# Altium PCB pay-ssm-v4-5.PcbDoc (part 1 of 4) (continued)
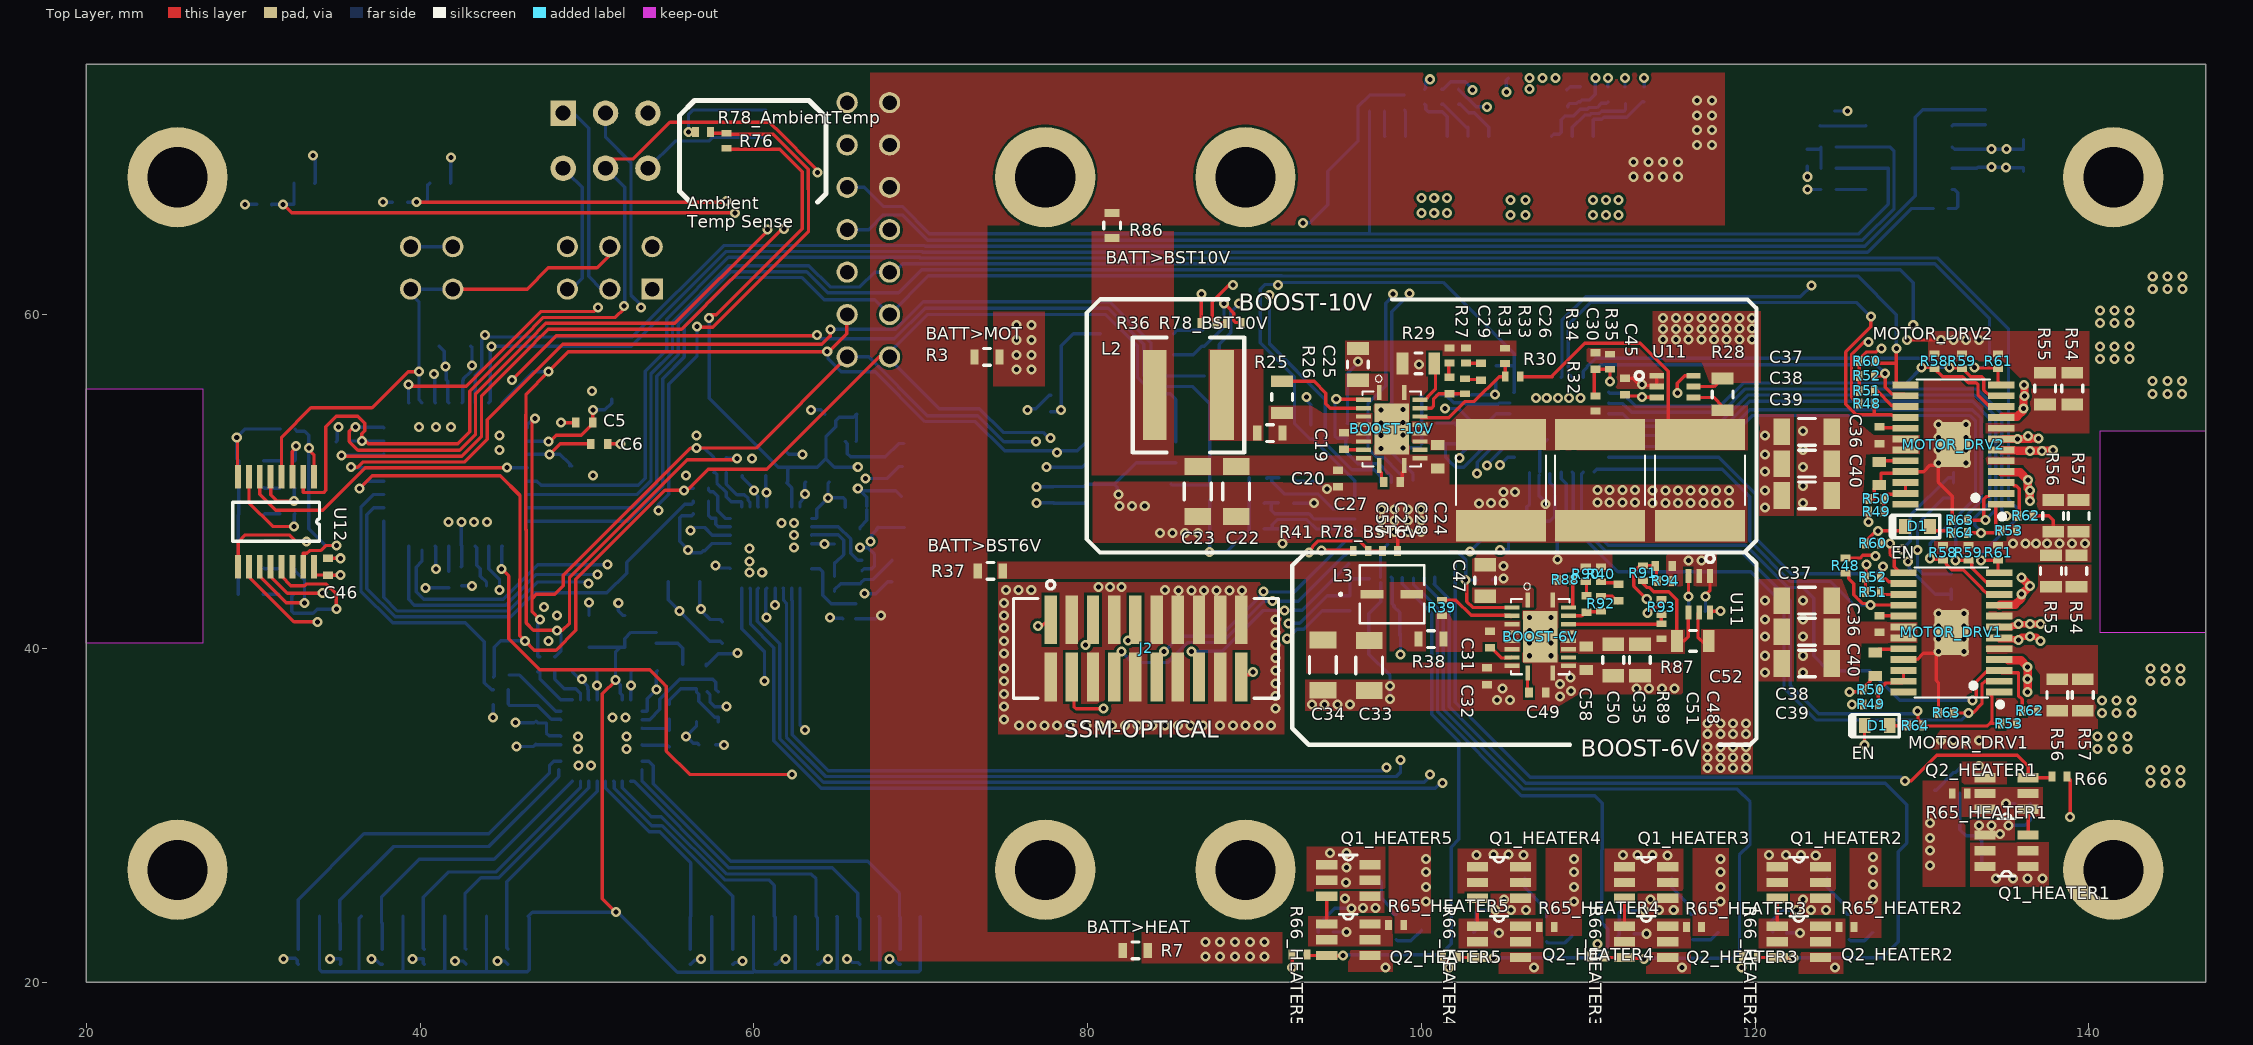
[diagram p0: Top Layer view]
## Design rules (kind name [scope] priority, off if disabled: settings)
AssemblyTestPointUsage [All] p1 off:
AssemblyTestpoint [All] p1 off: testpointundercomponent=TRUE minsize=1.016 maxsize=2.54 preferedsize=1.524 minholesize=0 maxholesize=1.016 preferedholesize=0.813 testpointgrid=0.025 usegrid=TRUE gridtolerance=0 allowsidetop=TRUE allowsidebottom=TRUE
BoardOutlineClearance [All] p1: gap=0.5 ignorepadtopadclearanceinfootprint=FALSE
Clearance Component_Clearance [IsComponent vs IsComponent] p1: gap=0.254 ignorepadtopadclearanceinfootprint=FALSE
Clearance [All] p2: gap=0.152 ignorepadtopadclearanceinfootprint=TRUE
FabricationTestPointUsage [All] p1 off: valid=0 allowmultiple=FALSE
FabricationTestpoint [All] p1 off: side=3 testpointundercomponent=FALSE minsize=1.016 maxsize=2.54 preferedsize=1.524 minholesize=0 maxholesize=1.016 preferedholesize=0.813 testpointgrid=0.025 allowsidetop=TRUE allowsidebottom=TRUE usegrid=TRUE gridtolerance=0
HoleSize [All] p1: absolutevalues=TRUE maxlimit=6.3 minlimit=0.3 maxpercent=80.000 minpercent=20.000
HoleToHoleClearance [All] p1: gap=0.2 allowstackedmicrovias=FALSE
MinimumAnnularRing [All] p1: minimumring=0.15
MinimumSolderMaskSliver [All] p1: minsoldermaskwidth=0.1
PlaneClearance [All] p1: clearance=0.381
PlaneConnect [All] p1: planeconnectstyle=Direct reliefexpansion=0.508 reliefentries=4 reliefconductorwidth=0.254 reliefairgap=0.254
PolygonConnect PolygonConnect_2 [All vs IsNamedPolygon('BIG-GND-TOP')] p1: thpad.connectstyle=Relief thpad.reliefconductorwidth=0.254 thpad.reliefentries=4 thpad.polygonreliefangle="90 Angle" thpad.airgapwidth=0.254 smdpad.connectstyle=Relief smdpad.reliefconductorwidth=0.254 smdpad.reliefentries=4 smdpad.polygonreliefangle="90 Angle" smdpad.airgapwidth=0.254 via.connectstyle=Direct via.reliefconductorwidth=0.254 via.reliefentries=4 via.polygonreliefangle="90 Angle" via.airgapwidth=0.254
PolygonConnect PolygonConnect_1 [All vs IsNamedPolygon('BIG-GND-BOT')] p2: thpad.connectstyle=Relief thpad.reliefconductorwidth=0.254 thpad.reliefentries=4 thpad.polygonreliefangle="90 Angle" thpad.airgapwidth=0.254 smdpad.connectstyle=Relief smdpad.reliefconductorwidth=0.254 smdpad.reliefentries=4 smdpad.polygonreliefangle="90 Angle" smdpad.airgapwidth=0.254 via.connectstyle=Direct via.reliefconductorwidth=0.254 via.reliefentries=4 via.polygonreliefangle="90 Angle" via.airgapwidth=0.254
PolygonConnect [All] p3: connectstyle=Direct reliefconductorwidth=0.254 reliefentries=4 polygonreliefangle="90 Angle" airgapwidth=0.254
RoutingVias [All] p1: holewidth=0.3 width=0.6 viastyle="Through Hole" minholewidth=0.2 minwidth=0.6 maxholewidth=6.3 maxwidth=10 useviatemplates=TRUE viatemplateguid#1={011D216B-D316-413C-A39D-AE21322AA2E3} viatemplatename#1=v60h30m0mx0(Tol8-8)
SilkToSilkClearance [All] p1: silktosilkclearance=0
SilkToSolderMaskClearance [IsPad] p1: minsilkscreentomaskgap=0.2 clearancetoexposedcopper=TRUE
SolderMaskExpansion [All] p1: expansion=0.051
UnConnectedPin [All] p1:
UnRoutedNet [All] p1: checkbadconnections=TRUE
Width [All] p1: maxlimit=25.4 minlimit=0.152 preferedwidth=0.2
18 further rules are at their usual default settings.

## Classes and differential pairs
component class Current_Monitor1: C46_Current_Monitor1 U8_Current_Monitor1
component class HEATER5: D8_HEATER5 Q1_HEATER5 Q2_HEATER5 R44_HEATER5 R65_HEATER5 R66_HEATER5 R96_HEATER5
component class HEATER4: D8_HEATER4 Q1_HEATER4 Q2_HEATER4 R44_HEATER4 R65_HEATER4 R66_HEATER4 R96_HEATER4
component class HEATER1: D8_HEATER1 Q1_HEATER1 Q2_HEATER1 R44_HEATER1 R65_HEATER1 R96_HEATER1
component class HEATER3: D8_HEATER3 Q1_HEATER3 Q2_HEATER3 R44_HEATER3 R65_HEATER3 R66_HEATER3 R96_HEATER3
component class HEATER2: D8_HEATER2 Q1_HEATER2 Q2_HEATER2 R44_HEATER2 R65_HEATER2 R66_HEATER2 R96_HEATER2
component class MOTOR_DRV1: C37 C38 C39 C40 D1 MOTOR_DRV1 R48 R50 R51 R52 R53 R54 R55 R56 R57 R58 R59 R60 R61 R62 R63
component class Current_Monitor2: C45 U11
component class Boost2_Temperature: R78_BST6V
component class MOTOR_DRV2: MOTOR_DRV2
component class Port_Expander2: C41_Port_Expander2
component class Port_Expander1: C41 C41_Port_Expander1 R67 R68 R69 R70 R71 R72 R73 R74
component class micro-circuit-: C46 D2 D3 D4 D5 D6 D7 R79 R80 R81 R82 R83 R84 R85 U11
component class ADC1: C10 C11 C12_ADC1 C13 C14 R19 R20 R21 R22 R23 U3
channel class "Port Expander Breakout": PEX1 PEX2
channel class "Heater Control": HEATER1 HEATER2 HEATER3 HEATER4 HEATER5
channel class DRV8834: MOTOR_DRV1 MOTOR_DRV2
channel class curr-mon-INA214-Q1: Current_Monitor_Buck
channel class "ADC Breakout": ADC2 ADC13
channel class adc-circuit-ADS7952: ADC11 ADC12
channel class adc-ADS7952: ADS79521 ADS79522
net class MF2_THM[1..6]: MF2_THM1 MF2_THM2 MF2_THM3 MF2_THM4 MF2_THM5 MF2_THM6
net class MF1_THM[1..6]: MF1_THM1 MF1_THM2 MF1_THM3 MF1_THM4 MF1_THM5 MF1_THM6
component class TOP: C53 C54 C55 J1 J2 J14 L4 R1 R2 R3 R4 R5 R6 R7 R8 R9 R10 R95 R99 R100
component class THERMISTORS: J12 J13
component class MOTORS: J5 J6 R42 R43
component class MOTOR_TEMP12: R78_MOT_DRV1
component class MOTOR_TEMP11: R78_MOT_DRV2
component class MF_THM2_17: R78_MF_THM2_17
component class MF_THM2_16: R78_MF_THM2_16
component class MF_THM2_15: R78_MF_THM2_15
component class MF_THM2_14: R78_MF_THM2_14
component class MF_THM2_13: R78_MF_THM2_13
component class MF_THM2_12: R78_MF_THM2_12
component class MF_THM1_11: R78_MF_THM1_11
component class MF_THM1_10: R78_MF_THM1_10
component class MF_THM1_9: R78_MF_THM1_9
component class MF_THM1_8: R78_MF_THM1_8
component class MF_THM1_7: R78_MF_THM1_7
component class MF_THM1_6: R78_MF_THM1_6
component class BOOST-6V: BOOST-6V C31 C32 C33 C34 C35 C47 C48 C49 C50 C51 C52 L3 R37 R38 R39 R40 R41 R87 R88 R89 R90 R91 R92 R93 R94 R98
component class General_Temp_Sense: R78_AmbientTemp
component class ADS79522: U5
component class ADS79521: C15 C16 C17 C18 R24
component class CAN_Transciever: C7 C8 C9 R12 R13 R14 R15 R16 R17 R18 U2
channel class thermistor-input-10k: ADC1_Temp_Sense ADC2_Temp_Sense Boost_Temp_Sense CIN6 CIN7 CIN8 CIN9 CIN10 CIN11 CIN12 CIN13 CIN14 CIN15 CIN16 CIN17 Motor_Driver_Temp_Sense1 Motor_Driver_Temp_Sense2
channel class pex-MCP23S17: Port_Expander_Motor Port_Expander_Thermal
component class MOTOR_FB: J9 J10 R46 R47
component class MCU_64M1: J3 J4 "PROG <-> RUN" RST
component class ENV_SENSORS: C42 C43 C44 R75 R76 R77 U9 U10 U15
component class Boost_Temp_Sense: R47_Boost_Temp_Sense R78_BST10V
component class BOOST-10V: BOOST-10V C19 C20 C21 C22 C23 C24 C25 C26 C27 C28 C29 C30 L2 R25 R26 R27 R28 R29 R30 R31 R32 R33 R34 R35 R36 R86 R97
component class ATMEGA64M1: C1 C2 C3 C4 C5 C6 L1 R11 Y1

## Components (designator, comment, footprint, x,y, rotation, side; value= is the part's Value field where it differs from the comment)
BOOST-6V "TPS61088" QFN50P450X350X100-21N 107.122,40.701 r0 top (schematic designator BT2)
BOOST-10V "TPS61088" QFN50P450X350X100-21N 98.232,53.147 r0 top (schematic designator BT1)
C1 "0805" CAP0805R 42.098,58.1 r180 bottom value=10uF
C2 "0402" CAP0402R 42.098,56.068 r180 bottom value=0.1uF
C3 "0402" CAP0402R 42.979,44.892 r0 bottom value=0.1uF
C4 "0402" CAP0402R 41.717,44.13 r90 bottom value=0.1uF
C5 "0402" CAP0402R 49.837,53.528 r0 top value=22pF
C6 "0402" CAP0402R 50.734,52.258 r180 top value=22pF
C7 "0805" CAP0805R 136.078,69.53 r270 bottom value=10uF
C8 "0402" CAP0402R 133.411,69.403 r270 bottom value=0.1uF
C9 "0402" CAP0402R 123.124,69.403 r90 bottom value=47pF
C10 "0402" CAP0402R 57.211,34.224 r180 bottom value=0.1uF
C10 "0402" CAP0402R 66.863,47.178 r180 bottom value=0.1uF
C11 "0402" CAP0402R 54.925,34.597 r90 bottom value=220pF
C11 "0402" CAP0402R 64.831,45.646 r270 bottom value=220pF
C12 "0805" CAP0805R 55.814,44.003 r0 bottom value=10uF
C12_ADC1 "0805" CAP0805R 69.022,48.194 r90 bottom value=10uF (schematic designator C12)
C13 "0603" CAP0603R 56.449,39.05 r180 bottom value=1uF
C13 "0603" CAP0603R 68.895,51.688 r90 bottom value=1uF
C14 "0805" CAP0805R 50.125,41.025 r270 bottom value="10uF 1-1.5 ESR"
C14 "0805" CAP0805R 65.212,54.036 r0 bottom value="10uF 1-1.5 ESR"
C15 "0603" CAP0603R 53.528,38.669 r180 bottom value=1uF
C15 "0603" CAP0603R 60.005,50.353 r0 bottom value=1uF
C16 "0603" CAP0603R 46.925,34.95 r90 bottom value=1uF
C16 "0603" CAP0603R 56.957,46.543 r270 bottom value=1uF
C17 "0603" CAP0603R 49.845,38.669 r0 bottom value=1uF
C17 "0603" CAP0603R 63.815,49.972 r180 bottom value=1uF
C18 "0805" CAP0805R 52.258,41.016 r270 bottom value=10uF
C18 "0805" CAP0805R 61.91,50.861 r270 bottom value=10uF
C19 "0402" CAP0402R 95.375,52.425 r270 top value="0.1uF 50V X7R"
C20 "0402" CAP0402R 95,50.175 r90 top value="0.1uF 16V X7R"
C21 "2220" CAP2220 104.775,50.075 r90 top value="22uF 25V X7R"
C22 "1206" CAP1206R 88.9,49.4 r90 top value="10uF 50V X5R"
C23 "1206" CAP1206R 86.6,49.4 r90 top value="10uF 50V X5R"
C24 "2220" CAP2220 116.7,50.075 r90 top value="22uF 25V X7R"
C25 "0805" CAP0805R 96.2,57.023 r270 top value="2.2uF 16V X7R"
C26 "0402" CAP0402R 103.575,56.575 r270 top value="820pF 50V X7R"
C27 "0402" CAP0402R 98.232,49.972 r180 top value="8.2nF 16V X7R"
C28 "2220" CAP2220 110.7,50.075 r90 top value="22uF 25V X7R"
C29 "0402" CAP0402R 101.7,55.75 r270 top value="39pF 25V C0G"
C30 "0402" CAP0402R 110.424,57.211 r270 top value="0.1uF 16V X7R"
C31 "0402" CAP0402R 104.1,40.525 r90 top value="0.1uF 16V X7R"
C32 "0402" CAP0402R 103.925,38.325 r90 top value="0.1uF 16V X7R"
C33 "1206" CAP1206R 96.875,38.975 r90 top value="33uF 25V X5R"
C34 "1206" CAP1206R 94.1,39 r90 top value="33uF 25V X5R"
C35 "0805" CAP0805R 113.1,39.3 r90 top value="15uF 35V X5R"
C36 "0402" CAP0402R 127.442,52.766 r270 top value="10000pF 25V"
C36 "0402" CAP0402R 127.442,41.463 r270 top value="10000pF 25V"
C37 "1206" CAP1206R 123.1,52.976 r0 top value="10uF 25V"
C37 "1206" CAP1206R 123.1,42.86 r0 top value="10uF 25V"
C38 "1206" CAP1206R 123.1,51.071 r0 top value="10uF 25V"
C38 "1206" CAP1206R 123.1,40.996 r0 top value="10uF 25V"
C39 "1206" CAP1206R 123.1,49.166 r0 top value="10uF 25V"
C39 "1206" CAP1206R 123.1,39.091 r0 top value="10uF 25V"
C40 "0603" CAP0603R 127.442,50.48 r270 top value="2.2uF 6.3V X7R"
C40 "0603" CAP0603R 127.188,39.05 r270 top value="2.2uF 6.3V X7R"
C41 "0402" CAP0402R 97.85,42.575 r0 bottom value=0.1uF (schematic designator C45)
C41 "0402" CAP0402R 107.5,49.275 r0 bottom value=0.1uF (schematic designator C45)
C41_Port_Expander1 "0805" CAP0805R 107.122,46.543 r180 bottom value=10uF (schematic designator C41)
C41_Port_Expander2 "0805" CAP0805R 97.8,40.9 r0 bottom value=10uF (schematic designator C41)
C42 "0402" CAP0402R 77.975,49.2 r90 bottom value="0.1uF 16V X7R"
C43 "0402" CAP0402R 77.785,54.671 r270 bottom value="0.22uF 6.3V X7R"
C44 "0402" CAP0402R 86.929,58.608 r270 bottom value="0.1uF 16V X7R"
C45 "0402" CAP0402R 116.52,42.225 r180 bottom value=0.1uF (schematic designator C46)
C45 "0402" CAP0402R 112.202,55.687 r270 top value=0.1uF (schematic designator C46)
C46 "0402" CAP0402R 34.478,44.892 r270 top value=0.1uF (schematic designator C56)
C47 "0805" CAP0805R 103.82,44.064 r270 top value="2.2uF 16V X7R"
C48 "0402" CAP0402R 111.8,43.35 r270 top value="560pF 50V X7R"
C49 "0402" CAP0402R 106.95,37.35 r180 top value="8.2nF 16V X7R"
C50 "0805" CAP0805R 111.5,39.3 r90 top value="15uF 35V X5R"
C51 "0402" CAP0402R 109.9,42.65 r270 top value="27pF 50V C0G"
C52 "0402" CAP0402R 114.525,44.925 r180 top value="0.1uF 16V X7R"
C53 "0402" CAP0402R 108.265,72.451 r180 bottom value=10000pF
C54 "0603" CAP0603R 108.011,73.467 r180 bottom value=1uF
C55 "0805" CAP0805R 105.217,73.125 r270 bottom value=10uF
C57 "0603" CAP0603R 100.975,51.475 r90 top value=1uF
C58 "0603" CAP0603R 109.875,39.4 r90 top value=1uF
D1 "LED0603" LED0603 129.728,47.305 r180 top
D1 "LED0603" LED0603 127.315,35.367 r180 top
D2 "LED0603" LED0603 29.849,51.242 r180 bottom
D3 "LED0603" LED0603 29.849,49.631 r180 bottom
D4 "LED0603" LED0603 29.849,48.021 r180 bottom
D5 "LED0603" LED0603 29.849,46.365 r180 bottom
D6 "LED0603" LED0603 29.849,44.801 r180 bottom
D7 "LED0603" LED0603 29.849,43.237 r180 bottom
D8_HEATER1 "LED0603" LED0603 132.268,32.065 r270 bottom (schematic designator D8)
D8_HEATER2 "LED0603" LED0603 125.645,23.302 r90 bottom (schematic designator D8)
D8_HEATER3 "LED0603" LED0603 116.266,23.302 r90 bottom (schematic designator D8)
D8_HEATER4 "LED0603" LED0603 107.503,23.175 r90 bottom (schematic designator D8)
D8_HEATER5 "LED0603" LED0603 98.486,23.302 r90 bottom (schematic designator D8)
J1 "DF13A-15P-1.25H(21)" DF13A-15P-1.25H(21) 106.547,70.673 r0 bottom
J2 "SFMC-110-02-L-D" TFM-110-02-L-D 83.5,40 r0 top
J3 "SLW-103-01-G-D" SLW-103-01-X-D 51.369,62.799 r0 bottom
J4 "SLW-102-01-G-D" SLW-102-01-X-D 40.701,62.799 r0 bottom
J5 "DF13A-4P-1.25H(51)" DF13A-4P-1.25H(51) 143.139,36.647 r270 bottom
J6 "DF13A-4P-1.25H(51)" DF13A-4P-1.25H(51) 143.19,60.132 r270 bottom
J9 "DF13A-2P-1.25H(21)" DF13A-2P-1.25H(21) 33.071,67.879 r180 bottom
J10 "DF13A-2P-1.25H(21)" DF13A-2P-1.25H(21) 41.199,67.879 r180 bottom
J11 "DF13A-2P-1.25H(21)" DF13A-2P-1.25H(21) 124.956,26.225 r180 bottom
J11 "DF13A-2P-1.25H(21)" DF13A-2P-1.25H(21) 97.988,26.223 r180 bottom
J11 "DF13A-2P-1.25H(21)" DF13A-2P-1.25H(21) 106.814,26.225 r180 bottom
J11 "DF13A-2P-1.25H(21)" DF13A-2P-1.25H(21) 115.631,26.223 r180 bottom
J11 "DF13A-2P-1.25H(21)" DF13A-2P-1.25H(21) 132.957,26.983 r0 bottom
J12 "DF13A-12P-1.25H(51)" DF13A-12P-1.25H(51) 62.478,23.937 r180 bottom
J13 "DF13A-12P-1.25H(51)" DF13A-12P-1.25H(51) 38.979,23.939 r180 bottom
J14 "SLW-107-01-G-D" SLW-107-01-X-D 66.863,65.085 r90 bottom
L1 "0603" RES0603R 43.233,43.749 r0 bottom value=10uH
L2 "XAL6020-112MEB" XAL6020-112MEB 86.04,55.179 r0 top value="1.1uH 20% 12A"
L3 "IHLP-1212BZ" IHLP-1212BZ 98.232,43.241 r0 top
L4 "2A 0402" RES0402R 106.741,72.451 r0 bottom value="120 Ohm @ 100MHz"
MCU "ATMEGA64M1" QFP80P900X900X120-32 42.116,50.423 r270 bottom (schematic designator U1)
MOTOR_DRV1 "DRV8834" SOP65P640X120-25N 131.76,40.955 r180 top (schematic designator U7)
MOTOR_DRV2 "DRV8834" SOP65P640X120-25N 131.876,52.214 r180 top (schematic designator U7)
"PROG <-> RUN" "DPDT" "JS202011AQN - Slide Switch" 51.115,70.419 r270 bottom (schematic designator S1)
Q1_HEATER1 "N-MOS" SOT95P280X145-6N 135.062,27.874 r180 top (schematic designator Q1)
Q1_HEATER2 "N-MOS" SOT95P280X145-6N 122.616,25.969 r0 top (schematic designator Q1)
Q1_HEATER3 "N-MOS" SOT95P280X145-6N 113.472,25.969 r0 top (schematic designator Q1)
Q1_HEATER4 "N-MOS" SOT95P280X145-6N 104.651,25.969 r0 top (schematic designator Q1)
Q1_HEATER5 "N-MOS" SOT95P280X145-6N 95.623,26.096 r0 top (schematic designator Q1)
Q2_HEATER1 "N-MOS" SOT95P280X145-6N 135.062,31.303 r180 top (schematic designator Q2)
Q2_HEATER2 "N-MOS" SOT95P280X145-6N 122.616,22.413 r0 top (schematic designator Q2)
Q2_HEATER3 "N-MOS" SOT95P280X145-6N 113.472,22.413 r0 top (schematic designator Q2)
Q2_HEATER4 "N-MOS" SOT95P280X145-6N 104.651,22.413 r0 top (schematic designator Q2)
Q2_HEATER5 "N-MOS" SOT95P280X145-6N 95.623,22.54 r0 top (schematic designator Q2)
R1 "0402" RES0402R 97.343,72.197 r180 bottom value=0
R2 "0402" RES0402R 98.994,72.705 r90 bottom value=0
R3 "0603" RES0603R 73.975,57.465 r0 top value="0 26A"
R4 "0402" RES0402R 100.193,73.057 r90 bottom value=100
R5 "0402" RES0402R 101.209,73.057 r90 bottom value=100
R6 "0402" RES0402R 102.225,73.057 r90 bottom value=100
R7 "0603" RES0603R 82.865,21.905 r0 top value="0 26A"
R8 "0402" RES0402R 111.186,73.213 r90 bottom value=100
R9 "0402" RES0402R 112.202,73.213 r90 bottom value=100
R10 "0402" RES0402R 113.345,73.213 r90 bottom value=100
R11 "0402" RES0402R 35.425,52.385 r180 bottom value=30K
R12 "0402" RES0402R 124.394,68.768 r0 bottom value=60.4
R13 "0402" RES0402R 131.125,66.355 r180 bottom value=100
R14 "0402" RES0402R 133.792,71.816 r90 bottom value=100
R15 "0402" RES0402R 124.394,67.498 r180 bottom value=100
R16 "0402" RES0402R 124.394,70.038 r0 bottom value=60.4
R17 "0402" RES0402R 123.886,71.758 r90 bottom value=0
R18 "0402" RES0402R 124.775,71.747 r270 bottom value=0
R19 "0402" RES0402R 44.839,37.512 r0 bottom value=100
R19 "0402" RES0402R 56.83,48.829 r0 bottom value=100
R20 "0402" RES0402R 48.067,39.05 r270 bottom value=100
R20 "0402" RES0402R 58.354,50.988 r270 bottom value=100
R21 "0402" RES0402R 54.925,36.198 r270 bottom value=100
R21 "0402" RES0402R 64.831,43.876 r90 bottom value=100
R22 "0402" RES0402R 47.178,39.05 r270 bottom value=100
R22 "0402" RES0402R 57.592,50.988 r270 bottom value=100
R23 "0402" RES0402R 44.839,38.401 r0 bottom value=100
R23 "0402" RES0402R 56.83,49.591 r0 bottom value=100
R24 "0402" RES0402R 44.839,36.623 r180 bottom value=10K
R24 "0402" RES0402R 56.83,48.067 r180 bottom value=10K
R25 "0603" RES0603R 90.925,52.9 r0 top value="0 26A"
R26 "0805" RES0805R 91.65,55.05 r270 top value="215K 1%"
R27 "0402" RES0402R 101.7,57.55 r270 top value=0
R28 "0805" RES0805R 118.05,55.225 r90 top value="8m 1% 1/2W"
R29 "0805" RES0805R 99.825,57.075 r0 top value="102K 1%"
R30 "0402" RES0402R 105.475,56.3 r0 top value="410K 1%"
R31 "0402" RES0402R 102.675,57.55 r270 top value=0
R32 "0402" RES0402R 110.424,54.671 r270 top value="3K 1%"
R33 "0402" RES0402R 102.625,55.7 r270 top value="44.2K 1%"
R34 "0402" RES0402R 105.025,57.525 r270 top value="56.2K 1%"
R35 "0402" RES0402R 111.3,57.175 r270 top value=1K
R36 "0402" RES0402R 87.241,59.497 r180 top value="10K NTC"
R37 "0603" RES0603R 74.175,44.65 r180 top value="0 26A"
R38 "0603" RES0603R 100.575,40.55 r0 top value="0 26A"
R39 "0402" RES0402R 101.225,42.425 r270 top value="69.8K 1%"
R40 "0402" RES0402R 110.75,44.45 r270 top value=0
R41 "0402" RES0402R 96.375,45.825 r180 top value="10K NTC"
R42 "0402" RES0402R 131.76,44.003 r90 bottom value="10K NTC"
R43 "0402" RES0402R 131.887,49.464 r270 bottom value="10K NTC"
R44_HEATER1 "0402" RES0402R 136.025,30.7 r180 bottom value=10K (schematic designator R44)
R44_HEATER2 "0402" RES0402R 121.5,22.95 r0 bottom value=10K (schematic designator R44)
R44_HEATER3 "0402" RES0402R 112.275,22.925 r0 bottom value=10K (schematic designator R44)
R44_HEATER4 "0402" RES0402R 103.65,23 r0 bottom value=10K (schematic designator R44)
R44_HEATER5 "0402" RES0402R 94.275,22.975 r0 bottom value=10K (schematic designator R44)
R46 "0402" RES0402R 30.668,66.609 r180 bottom value=10K
R47 "0402" RES0402R 38.796,66.736 r180 bottom value=10K
R48 "0402" RES0402R 126.68,54.671 r180 top value=10K
R48 "0402" RES0402R 125.41,44.961 r90 top value=10K
R49 "0402" RES0402R 127.261,48.194 r180 top value="1K 1%"
R49 "0402" RES0402R 126.934,36.637 r180 top value="1K 1%"
R50 "0402" RES0402R 127.261,48.956 r0 top value="200 1%"
R50 "0402" RES0402R 126.934,37.526 r0 top value="200 1%"
R51 "0402" RES0402R 126.68,55.433 r180 top value=10K
R51 "0402" RES0402R 127.061,43.368 r180 top value=10K
R52 "0402" RES0402R 126.68,56.322 r0 top value=10K
R52 "0402" RES0402R 127.061,44.257 r0 top value=10K
R53 "0402" RES0402R 135.189,47.051 r180 top value=10K
R53 "0402" RES0402R 135.189,35.494 r180 top value=10K
R54 "0805" RES0805R 138.999,55.56 r270 top value="0.2 1% 1/4W"
R54 "0805" RES0805R 139.253,44.638 r270 top value="0.2 1% 1/4W"
R55 "0805" RES0805R 137.374,55.56 r270 top value="0.2 1% 1/4W"
R55 "0805" RES0805R 137.729,44.638 r270 top value="0.2 1% 1/4W"
R56 "0805" RES0805R 137.856,47.94 r90 top value="0.2 1% 1/4W"
R56 "0805" RES0805R 138.11,37.206 r90 top value="0.2 1% 1/4W"
R57 "0805" RES0805R 139.38,47.94 r90 top value="0.2 1% 1/4W"
R57 "0805" RES0805R 139.634,37.206 r90 top value="0.2 1% 1/4W"
R58 "0402" RES0402R 130.744,57.211 r270 top value=10K
R58 "0402" RES0402R 131.252,45.723 r270 top value=10K
R59 "0402" RES0402R 132.395,57.211 r270 top value=10K
R59 "0402" RES0402R 132.776,45.723 r270 top value=10K
R60 "0402" RES0402R 126.68,57.211 r0 top value=10K
R60 "0402" RES0402R 127.061,46.289 r0 top value=10K
R61 "0402" RES0402R 134.554,57.211 r270 top value=10K
R61 "0402" RES0402R 134.554,45.723 r270 top value=10K
R62 "0402" RES0402R 136.205,47.94 r180 top value="50K 1%"
R62 "0402" RES0402R 136.459,36.256 r180 top value="50K 1%"
R63 "0402" RES0402R 132.268,47.686 r0 top value="50K 1%"
R63 "0402" RES0402R 131.437,36.129 r0 top value="50K 1%"
R64 "0402" RES0402R 132.268,46.924 r180 top value=330
R64 "0402" RES0402R 129.601,35.367 r180 top value=330
R65_HEATER1 "0402" RES0402R 132.268,31.303 r180 top value=1K (schematic designator R65)
R65_HEATER2 "0402" RES0402R 125.479,23.302 r0 top value=1K (schematic designator R65)
R65_HEATER3 "0402" RES0402R 116.335,23.302 r0 top value=1K (schematic designator R65)
R65_HEATER4 "0402" RES0402R 107.514,23.302 r0 top value=1K (schematic designator R65)
R65_HEATER5 "0402" RES0402R 98.486,23.429 r0 top value=1K (schematic designator R65)
R66 "0402" RES0402R 138.237,32.319 r0 top value=10K
R66_HEATER2 "0402" RES0402R 119.695,21.524 r180 top value=10K (schematic designator R66)
R66_HEATER3 "0402" RES0402R 110.551,21.524 r180 top value=10K (schematic designator R66)
R66_HEATER4 "0402" RES0402R 101.73,21.524 r180 top value=10K (schematic designator R66)
R66_HEATER5 "0402" RES0402R 92.702,21.651 r180 top value=10K (schematic designator R66)
R67 "0402" RES0402R 95.725,42.7 r270 bottom value=10K
R67 "0402" RES0402R 106.36,48.067 r270 bottom value=10K
R68 "0402" RES0402R 93.375,53 r90 bottom value=10K
R68 "0402" RES0402R 104.475,56.475 r270 bottom value=10K
R69 "0402" RES0402R 90.134,50.216 r180 bottom value=0
R69 "0402" RES0402R 102.548,55.179 r0 bottom value=0
R70 "0402" RES0402R 90.134,48.692 r180 bottom value=0
R70 "0402" RES0402R 102.525,53.575 r0 bottom value=0
R71 "0402" RES0402R 90.134,47.168 r180 bottom value=0
R71 "0402" RES0402R 102.49,52.258 r0 bottom value=0
R72 "0402" RES0402R 91.912,50.216 r180 bottom value=0
R72 "0402" RES0402R 100.458,55.179 r0 bottom value=0
R73 "0402" RES0402R 91.912,48.692 r180 bottom value=0
R73 "0402" RES0402R 100.475,53.55 r0 bottom value=0
R74 "0402" RES0402R 91.912,47.168 r180 bottom value=0
R74 "0402" RES0402R 100.458,52.258 r0 bottom value=0
R75 "0402" RES0402R 87.31,49.337 r270 bottom value=10K
R76 "0402" RES0402R 58.354,70.419 r270 top value="10K NTC"
R77 "0402" RES0402R 87.437,56.322 r0 bottom value=10K
R78_AmbientTemp "0402" RES0402R 56.957,70.927 r0 top value="10K 0.1%" (schematic designator R78)
R78_BST6V "0402" RES0402R 98.125,45.825 r180 top value="10K 0.1%" (schematic designator R78)
R78_BST10V "0402" RES0402R 88.765,59.497 r180 top value="10K 0.1%" (schematic designator R78)
R78_MF_THM1_6 "0402" RES0402R 68.768,21.524 r90 bottom value="10K 0.1%" (schematic designator R78)
R78_MF_THM1_7 "0402" RES0402R 66.355,21.524 r90 bottom value="10K 0.1%" (schematic designator R78)
R78_MF_THM1_8 "0402" RES0402R 63.815,21.524 r90 bottom value="10K 0.1%" (schematic designator R78)
R78_MF_THM1_9 "0402" RES0402R 61.275,21.524 r90 bottom value="10K 0.1%" (schematic designator R78)
R78_MF_THM1_10 "0402" RES0402R 58.735,21.524 r90 bottom value="10K 0.1%" (schematic designator R78)
R78_MF_THM1_11 "0402" RES0402R 56.195,21.524 r90 bottom value="10K 0.1%" (schematic designator R78)
R78_MF_THM2_12 "0402" RES0402R 45.273,21.524 r90 bottom value="10K 0.1%" (schematic designator R78)
R78_MF_THM2_13 "0402" RES0402R 42.758,21.524 r90 bottom value="10K 0.1%" (schematic designator R78)
R78_MF_THM2_14 "0402" RES0402R 40.244,21.524 r90 bottom value="10K 0.1%" (schematic designator R78)
R78_MF_THM2_15 "0402" RES0402R 37.729,21.524 r90 bottom value="10K 0.1%" (schematic designator R78)
R78_MF_THM2_16 "0402" RES0402R 35.215,21.524 r90 bottom value="10K 0.1%" (schematic designator R78)
R78_MF_THM2_17 "0402" RES0402R 32.7,21.524 r90 bottom value="10K 0.1%" (schematic designator R78)
R78_MOT_DRV1 "0402" RES0402R 131.76,42.479 r90 bottom value="10K 0.1%" (schematic designator R78)
R78_MOT_DRV2 "0402" RES0402R 131.887,50.988 r270 bottom value="10K 0.1%" (schematic designator R78)
R79 "0402" RES0402R 32.065,53.147 r0 bottom value=10K
R80 "0402" RES0402R 32.041,51.242 r0 bottom value=330
R81 "0402" RES0402R 32.041,49.591 r0 bottom value=330
R82 "0402" RES0402R 32.041,48.067 r0 bottom value=330
R83 "0402" RES0402R 31.996,46.416 r0 bottom value=330
R84 "0402" RES0402R 32.041,44.765 r0 bottom value=330
R85 "0402" RES0402R 31.996,43.241 r0 bottom value=330
R86 "0603" RES0603R 81.468,65.339 r90 top value="0 26A"
R87 "0805" RES0805R 116.266,40.447 r0 top value="8m 1% 1/2W"
R88 "0402" RES0402R 108.625,44.1 r0 top value="187K 1%"
R89 "0402" RES0402R 114.375,41.025 r270 top value="267K 1%"
R90 "0402" RES0402R 109.85,44.45 r270 top value=0
R91 "0402" RES0402R 113.275,44.5 r270 top value="1.4K 1%"
R92 "0402" RES0402R 110.75,42.675 r270 top value="15.4K 1%"
R93 "0402" RES0402R 114.375,42.475 r270 top value="56.2K 1%"
R94 "0402" RES0402R 114.6,44.05 r180 top value=1K
R95 "0402" RES0402R 109.535,73.213 r90 bottom value=2
R96_HEATER1 "0402" RES0402R 130.744,31.049 r270 bottom value=1K (schematic designator R96)
R96_HEATER2 "0402" RES0402R 127.061,23.429 r90 bottom value=1K (schematic designator R96)
R96_HEATER3 "0402" RES0402R 117.79,23.429 r90 bottom value=1K (schematic designator R96)
R96_HEATER4 "0402" RES0402R 109.027,23.244 r90 bottom value=1K (schematic designator R96)
R96_HEATER5 "0402" RES0402R 100.01,23.556 r90 bottom value=1K (schematic designator R96)
R97 "0402" RES0402R 95.55,53.025 r270 bottom value="50K 1%"
R98 "0402" RES0402R 103.8,44.1 r180 bottom value="50K 1%"
R99 "0402" RES0402R 66.101,42.225 r270 bottom value=1K
R100 "0402" RES0402R 65.339,42.225 r90 bottom value="2.2K 1%"
RST "SW-PB" "PTS830GM140 SMTR LFS - Pushbutton" 59.116,71.435 r0 bottom (schematic designator S2)
U2 "SN65HVD233D" SOIC127P500X600-8N 129.22,69.403 r270 bottom
U3 "AD8613" SOP65P200X125-5N 56.561,37.399 r270 bottom
U3 "AD8613" SOP65P200X125-5N 66.482,43.988 r0 bottom
U4 "REF5025" SOP65P300X125-8N 58.113,42.255 r180 bottom
U4_ADC1 "REF5025" SOP65P300X125-8N 67.425,48.45 r90 bottom (schematic designator U4)
U5 "ADS7952" QFN50P500X500X100-33 61.021,46.035 r180 bottom
U5 "ADS7952" QFN50P500X500X100-33 50.861,34.478 r180 bottom
U6 "MCP23S17-QFN" QFN65P600X600X100-29 108.392,53.401 r90 bottom
U6_Port_Expander2 "MCP23S17-QFN" QFN65P600X600X100-29 98.85,47.1 r90 bottom (schematic designator U6)
U9 "MS5803-05BA" MS5803_125P640x620-8N 82.611,50.48 r180 bottom
U10 "HIH7131" SOIC127P500X600-8N 82.551,56.957 r270 bottom
U11 "INA214CQDCKRQ1" "TI-SOT-SC70 (DCK)" 116.647,43.241 r270 top (schematic designator U8)
U11 "INA214CQDCKRQ1" "TI-SOT-SC70 (DCK)" 115.207,55.687 r0 top (schematic designator U8)
U12 "SN74HC365PW" SOP65P640X120-16N 33.649,50.292 r270 top (schematic designator U11)
Y1 "8MHz Crystal" OSCSC500X320X110-4N 50.283,52.925 r180 bottom

## Footprints (in the part's own frame and the unit in brackets; to place one, negate y for a bottom-side part, rotate by r counter-clockwise, add the part's x,y. Pads: shape width x height; smd on the part's side, far side on the other; paste and mask are expansions set on the pad)
CAP0402R [mm] "Capacitor 0402 reflow soldering"
  rect 0.45x0.6 smd mask+0: 1(-0.5,0) 2(0.5,0)
  body extent -0.5,-0.3 0.5,0.3, height 0.2
CAP0603R [mm] "capacitor 0603 reflow soldering"
  rect 0.6x0.8 smd mask+0: 1(-0.7,0) 2(0.7,0)
  body extent -0.8,-0.4 0.8,0.4, height 0.3
CAP0805R [mm] "capacitor 0805 reflow soldering"
  rect 0.8x1.3 smd mask+0: 1(-0.95,0) 2(0.95,0)
  silkscreen extent -0.2,-0.63 0.2,0.63, body extent -1,-0.63 1,0.62, height 0.78
CAP1206R [mm] "capacitor 1206 reflow soldering"
  rect 1x1.6 smd mask+0: 1(-1.5,0) 2(1.5,0)
  silkscreen extent -0.5,-0.8 0.5,0.8, body extent -1.6,-0.8 1.6,0.8, height 1
CAP2220 [mm] "CAP CER 2220"
  rect 1.88x5.41 smd: 1(-2.738,0) 2(2.738,0)
  silkscreen extent -1.48,-2.7 1.48,2.7, body extent -2.86,-2.79 2.86,2.79, height 2.8
DF13A-2P-1.25H(21) [mm] "2 pos, 1.25mm pitch DF13 connector (H125743CT-ND)"
  rect 0.7x1.8 smd: 1(-0.625,0) 2(0.625,0)
  rect 1.6x2.2 smd: ""(-2.975,3.3) ""(2.975,3.3)
  silkscreen extent -3.58,-0.48 3.58,6.02, body extent -3.58,-0.48 3.57,6.79, height 3.58
DF13A-4P-1.25H(51) [mm] "4 pos, 1.25mm pitch DF13 connector (H125779CT-ND)"
  rect 0.7x1.8 smd: 1(-0.625,-1.956) 2(0.625,-1.956) 3(1.875,-1.956) 4(3.125,-1.956)
  rect 1.6x2.2 smd: ""(-2.975,1.344) ""(5.475,1.344)
  silkscreen extent -3.61,-2.46 6.06,4.04, body extent -3.61,-2.46 6.04,4.75, height 3.58
DF13A-12P-1.25H(51) [mm]
  rect 0.7x1.8 smd: 1(-7.5,0) 2(-6.25,0) 3(-5,0) 4(-3.75,0) 5(-2.5,0) 6(-1.25,0) 7(0,0) 8(1.25,0) 9(2.5,0) 10(3.75,0) 11(5,0) 12(6.25,0)
  rect 1.6x2.2 smd: ""(-9.85,3.3) ""(8.6,3.3)
  silkscreen extent -10.61,-0.64 9.13,6.04, body extent -10.46,-0.51 9.19,6.86, height 3.71
DF13A-15P-1.25H(21) [mm] "15 pos, 1.25mm pitch DF13 connector (H125988CT-ND)"
  rect 0.7x1.8 smd: 1(-8.75,0) 2(-7.5,0) 3(-6.25,0) 4(-5,0) 5(-3.75,0) 6(-2.5,0) 7(-1.25,0) 8(0,0) 9(1.25,0) 10(2.5,0) 11(3.75,0) 12(5,0) 13(6.25,0) 14(7.5,0) 15(8.75,0)
  rect 1.6x2.2 smd: ""(-11.1,3.3) ""(11.1,3.3)
  silkscreen extent -11.86,-0.64 11.63,6.04, body extent -11.7,-0.5 11.7,6.76, height 3.58
IHLP-1212BZ [mil]
  rect 54x20 smd paste+0 mask+0: 1(-47,0) 2(47,0)
  silkscreen extent -124,-68 76,68, body extent -130,-63 71,63, height 81
"JS202011AQN - Slide Switch" [mil]
  rect 60x60 hole 35: 1(-65,100)
  round 60 hole 35: 2(-65,0) 3(-65,-100) 4(65,100) 5(65,0) 6(65,-100)
  silkscreen extent -150,-180 105,177, body extent -148,-178 128,176, height 139
LED0603 [mm] "0603 LED footprint, thick line on the cathode"
  rect 0.7x0.9 smd: 1(-0.75,0) 2(0.75,0)
  silkscreen extent -1.32,-0.67 1.52,0.67, body extent -0.8,-0.4 0.8,0.4, height 0.71
MS5803_125P640x620-8N [mm] "Footprint for the MS5803 family of pressure sensors"
  rect 2.25x0.9 smd: 1(-2.675,1.9) 2(-2.675,0.65) 4(-2.675,-1.9) 5(2.675,-1.9) 6(2.675,-0.65) 7(2.675,0.65) 8(2.675,1.9)
  rect 2.8x0.9 smd: 3(-2.4,-0.65)
  silkscreen extent -5.01,-3.33 3.73,3.3, body extent -3.17,-3.1 3.23,3.1, height 2.88
OSCSC500X320X110-4N [mm] "ABM3B-8.000MHZ-10-D-1-G-T Abracon 8MHz crystal"
  rect 1.2x1.8 smd: 1(-1.2,2) 2(-1.2,-2) 3(1.2,-2) 4(1.2,2)
  silkscreen extent -2.15,-2.67 1.65,3.15, body extent -1.6,-2.5 1.58,2.5, height 1.1
"PTS830GM140 SMTR LFS - Pushbutton" [mm] "Low profile pushbutton"
  rect 0.7x0.75 smd: 1(-1.6,0.825) 1(1.6,0.825) 2(-1.6,-0.825) 2(1.6,-0.825)
  silkscreen extent -1.92,-1.17 1.92,1.15, body extent -1.75,-1.3 1.75,1.3, height 1.4
QFN50P450X350X100-21N [mm]
  rect 0.26x0.9 smd: 1(-0.75,2.185) 10(-0.75,-2.185) 11(0.75,-2.185) 20(0.75,2.185)
  rect 0.9x0.26 smd: 2(-1.685,1.75) 3(-1.685,1.25) 4(-1.685,0.75) 5(-1.685,0.25) 6(-1.685,-0.25) 7(-1.685,-0.75) 8(-1.685,-1.25) 9(-1.685,-1.75) 12(1.685,-1.75) 13(1.685,-1.25) 14(1.685,-0.75) 15(1.685,-0.25) 16(1.685,0.25) 17(1.685,0.75) 18(1.685,1.25) 19(1.685,1.75)
  rect 2.07x3.07 smd: 21(0,0)
  silkscreen extent -1.75,-2.25 1.75,3.21, body extent -1.75,-2.25 1.75,2.25, height 1
QFN50P500X500X100-33 [mm] "QFN + Pitch P + Body With X Body Length X Height - #Pins"
  rect 0.84x0.26 smd: 1(-2.435,1.75) 2(-2.435,1.25) 3(-2.435,0.75) 4(-2.435,0.25) 5(-2.435,-0.25) 6(-2.435,-0.75) 7(-2.435,-1.25) 8(-2.435,-1.75) 17(2.435,-1.75) 18(2.435,-1.25) 19(2.435,-0.75) 20(2.435,-0.25) 21(2.435,0.25) 22(2.435,0.75) 23(2.435,1.25) 24(2.435,1.75)
  rect 0.26x0.84 smd: 9(-1.75,-2.435) 10(-1.25,-2.435) 11(-0.75,-2.435) 12(-0.25,-2.435) 13(0.25,-2.435) 14(0.75,-2.435) 15(1.25,-2.435) 16(1.75,-2.435) 25(1.75,2.435) 26(1.25,2.435) 27(0.75,2.435) 28(0.25,2.435) 29(-0.25,2.435) 30(-0.75,2.435) 31(-1.25,2.435) 32(-1.75,2.435)
  rect 3.6x3.6 smd: 33(0,0)
  silkscreen extent -3.47,-2.5 2.5,2.5, body extent -2.55,-2.55 2.55,2.55, height 0.78
QFN65P600X600X100-29 [mm] "QFN + Pitch P + Body With X Body Length X Height - #Pins"
  rect 1.04x0.33 smd: 1(-2.835,1.95) 2(-2.835,1.3) 3(-2.835,0.65) 4(-2.835,0) 5(-2.835,-0.65) 6(-2.835,-1.3) 7(-2.835,-1.95) 15(2.835,-1.95) 16(2.835,-1.3) 17(2.835,-0.65) 18(2.835,0) 19(2.835,0.65) 20(2.835,1.3) 21(2.835,1.95)
  rect 0.33x1.04 smd: 8(-1.95,-2.835) 9(-1.3,-2.835) 10(-0.65,-2.835) 11(0,-2.835) 12(0.65,-2.835) 13(1.3,-2.835) 14(1.95,-2.835) 22(1.95,2.835) 23(1.3,2.835) 24(0.65,2.835) 25(0,2.835) 26(-0.65,2.835) 27(-1.3,2.835) 28(-1.95,2.835)
  rect 3.7x3.7 smd: 29(0,0)
  silkscreen extent -4.24,-3 3,3, body extent -3.05,-3.05 3.05,3.05, height 1
QFP80P900X900X120-32 [mm] "QFN + Pitch P + Body With X Body Length X Height - #Pins"
  rect 1.5x0.55 smd: 1(-4.3,2.8) 2(-4.3,2) 3(-4.3,1.2) 4(-4.3,0.4) 5(-4.3,-0.4) 6(-4.3,-1.2) 7(-4.3,-2) 8(-4.3,-2.8) 17(4.3,-2.8) 18(4.3,-2) 19(4.3,-1.2) 20(4.3,-0.4) 21(4.3,0.4) 22(4.3,1.2) 23(4.3,2) 24(4.3,2.8)
  rect 0.55x1.5 smd: 9(-2.8,-4.3) 10(-2,-4.3) 11(-1.2,-4.3) 12(-0.4,-4.3) 13(0.4,-4.3) 14(1.2,-4.3) 15(2,-4.3) 16(2.8,-4.3) 25(2.8,4.3) 26(2,4.3) 27(1.2,4.3) 28(0.4,4.3) 29(-0.4,4.3) 30(-1.2,4.3) 31(-2,4.3) 32(-2.8,4.3)
  silkscreen extent -3.4,-3.4 3.4,3.4, body extent -4.62,-4.62 4.63,4.63, height 1.2
RES0402R [mm] "resistor 0402 reflow soldering"
  rect 0.4x0.6 smd mask+0: 1(-0.45,0) 2(0.45,0)
  body extent -0.5,-0.25 0.5,0.25, height 0.3
RES0603R [mm] "resistor 0603 reflow soldering"
  rect 0.5x0.9 smd mask+0: 1(-0.75,0) 2(0.75,0)
  silkscreen extent -0.2,-0.5 0.2,0.5, body extent -0.8,-0.4 0.8,0.4, height 0.45
RES0805R [mm] "resistor 0805 reflow soldering"
  rect 0.7x1.3 smd mask+0: 1(-0.95,0) 2(0.95,0)
  silkscreen extent -0.2,-0.63 0.2,0.63, body extent -1,-0.63 1,0.62, height 0.5
SLW-102-01-X-D [mil] "CONN RCPT 4POS 0.1 GOLD PCB"
  round 50 hole 34: 1(50,-50) 2(50,50) 3(-50,-50) 4(-50,50)
  silkscreen extent -120,-118 120,118, body extent -100,-98 100,97, height 180
SLW-103-01-X-D [mil] "CONN RCPT 6POS 0.1 GOLD PCB"
  rect 50x50 hole 34: 1(100,50)
  round 50 hole 34: 2(100,-50) 3(0,50) 4(0,-50) 5(-100,50) 6(-100,-50)
  silkscreen extent -170,-118 170,118, body extent -150,-98 150,98, height 180
SLW-107-01-X-D [mil]
  round 50 hole 34: 1(300,-50) 2(300,50) 3(200,-50) 4(200,50) 5(100,-50) 6(100,50) 7(0,-50) 8(0,50) 9(-100,-50) 10(-100,50) 11(-200,-50) 12(-200,50) 13(-300,-50) 14(-300,50)
  silkscreen extent -370,-118 364,118, body extent -350,-98 350,98, height 180
SOIC127P500X600-8N [mm]
  rect 0.6x2.2 smd: 1(-1.905,-2.6) 2(-0.635,-2.6) 3(0.635,-2.6) 4(1.905,-2.6) 5(1.905,2.6) 6(0.635,2.6) 7(-0.635,2.6) 8(-1.905,2.6)
  silkscreen extent -2.4,-1.9 2.4,1.9, body extent -2.46,-2.67 2.44,2.69, height 2.03
SOP65P200X125-5N [mm] "SOP + Pitch P + Lead Span Nominal X Height - #Pins"
  rect 1x0.47 smd: 1(0,0) 2(0,-0.65) 3(0,-1.3) 4(1.8,-1.3) 5(1.8,0)
  silkscreen extent -0.42,-1.91 1.65,0.67, body extent -0.31,-1.74 2.08,1.02, height 1.7
SOP65P300X125-8N [mm] "SOP + Pitch P + Lead Span Nominal X Height - #Pins"
  rect 1.35x0.45 smd: 1(0,0) 2(0,-0.65) 3(0,-1.3) 4(0,-1.95) 5(3.95,-1.95) 6(3.95,-1.3) 7(3.95,-0.65) 8(3.95,0)
  silkscreen extent 0,-2.28 2.9,0.58, body extent -0.64,-2.47 4.51,0.53, height 0.95
SOP65P640X120-16N [mm] "SOP + Pitch P + Lead Span Nominal X Height - #Pins"
  rect 1.4x0.35 smd: 1(0,0) 2(0,-0.65) 3(0,-1.3) 4(0,-1.95) 5(0,-2.6) 6(0,-3.25) 7(0,-3.9) 8(0,-4.55) 9(5.4,-4.55) 10(5.4,-3.9) 11(5.4,-3.25) 12(5.4,-2.6) 13(5.4,-1.95) 14(5.4,-1.3) 15(5.4,-0.65) 16(5.4,0)
  silkscreen extent 1.53,-4.88 3.87,0.33, body extent -0.61,-4.84 5.99,0.27, height 1.2
SOP65P640X120-25N [mm] "SOP + Pitch P + Lead Span Nominal X Height - #Pins"
  rect 1.57x0.41 smd: 1(-2.87,3.575) 2(-2.87,2.925) 3(-2.87,2.275) 4(-2.87,1.625) 5(-2.87,0.975) 6(-2.87,0.325) 7(-2.87,-0.325) 8(-2.87,-0.975) 9(-2.87,-1.625) 10(-2.87,-2.275) 11(-2.87,-2.925) 12(-2.87,-3.575) 13(2.87,-3.575) 14(2.87,-2.925) 15(2.87,-2.275) 16(2.87,-1.625) 17(2.87,-0.975) 18(2.87,-0.325) 19(2.87,0.325) 20(2.87,0.975) 21(2.87,1.625) 22(2.87,2.275) 23(2.87,2.925) 24(2.87,3.575)
  rect 2.025x2.68 smd: 25(0,0)
  silkscreen extent -3.07,-3.9 2.2,4.47, body extent -3.2,-3.9 3.2,3.9, height 1.2
SOT95P280X145-6N [mil] "SOT + Pitch P + Nominal Lead Length X Height - #Pins"
  rect 50x22 smd: 1(-51,37) 2(-51,0) 3(-51,-37) 4(51,-37) 5(51,0) 6(51,37)
  silkscreen extent -21,48 21,60, body extent -59,-60 59,60, height 57
TFM-110-02-L-D [mm] "Samtec connector"
  rect 0.74x2.92 smd: 1(-5.715,1.715) 2(-5.715,-1.715) 3(-4.445,1.715) 4(-4.445,-1.715) 5(-3.175,1.715) 6(-3.175,-1.715) 7(-1.905,1.715) 8(-1.905,-1.715) 9(-0.635,1.715) 10(-0.635,-1.715) 11(0.635,1.715) 12(0.635,-1.715) 13(1.905,1.715) 14(1.905,-1.715) 15(3.175,1.715) 16(3.175,-1.715) 17(4.445,1.715) 18(4.445,-1.715) 19(5.715,1.715) 20(5.715,-1.715)
  silkscreen extent -7.94,-2.98 7.94,4.06, body extent -7.94,-2.98 7.94,2.98, height 5.74
"TI-SOT-SC70 (DCK)" [mm] "IC CURR SENSE 1 CIRCUIT SC70-6"
  rect 0.85x0.35 smd: 1(-1.1,0.65) 2(-1.1,0) 3(-1.1,-0.65) 4(1.1,-0.65) 5(1.1,0) 6(1.1,0.65)
  silkscreen extent -2.4,0.4 -1.9,0.9, body extent -1.05,-1 1.05,1, height 1
XAL6020-112MEB [mil] "Fixed Inductors 1.1uH 20% 12A 13.1mOhms AEC-Q200"
  rect 56x213 smd: 1(-79.5,0) 2(79.5,0)
  silkscreen extent -132,-136 132,136, body extent -129,-133 129,133, height 83